# Altium PCB VOU_SOM_CV_V0.0.1.PcbDoc (part 1 of 3) (continued)
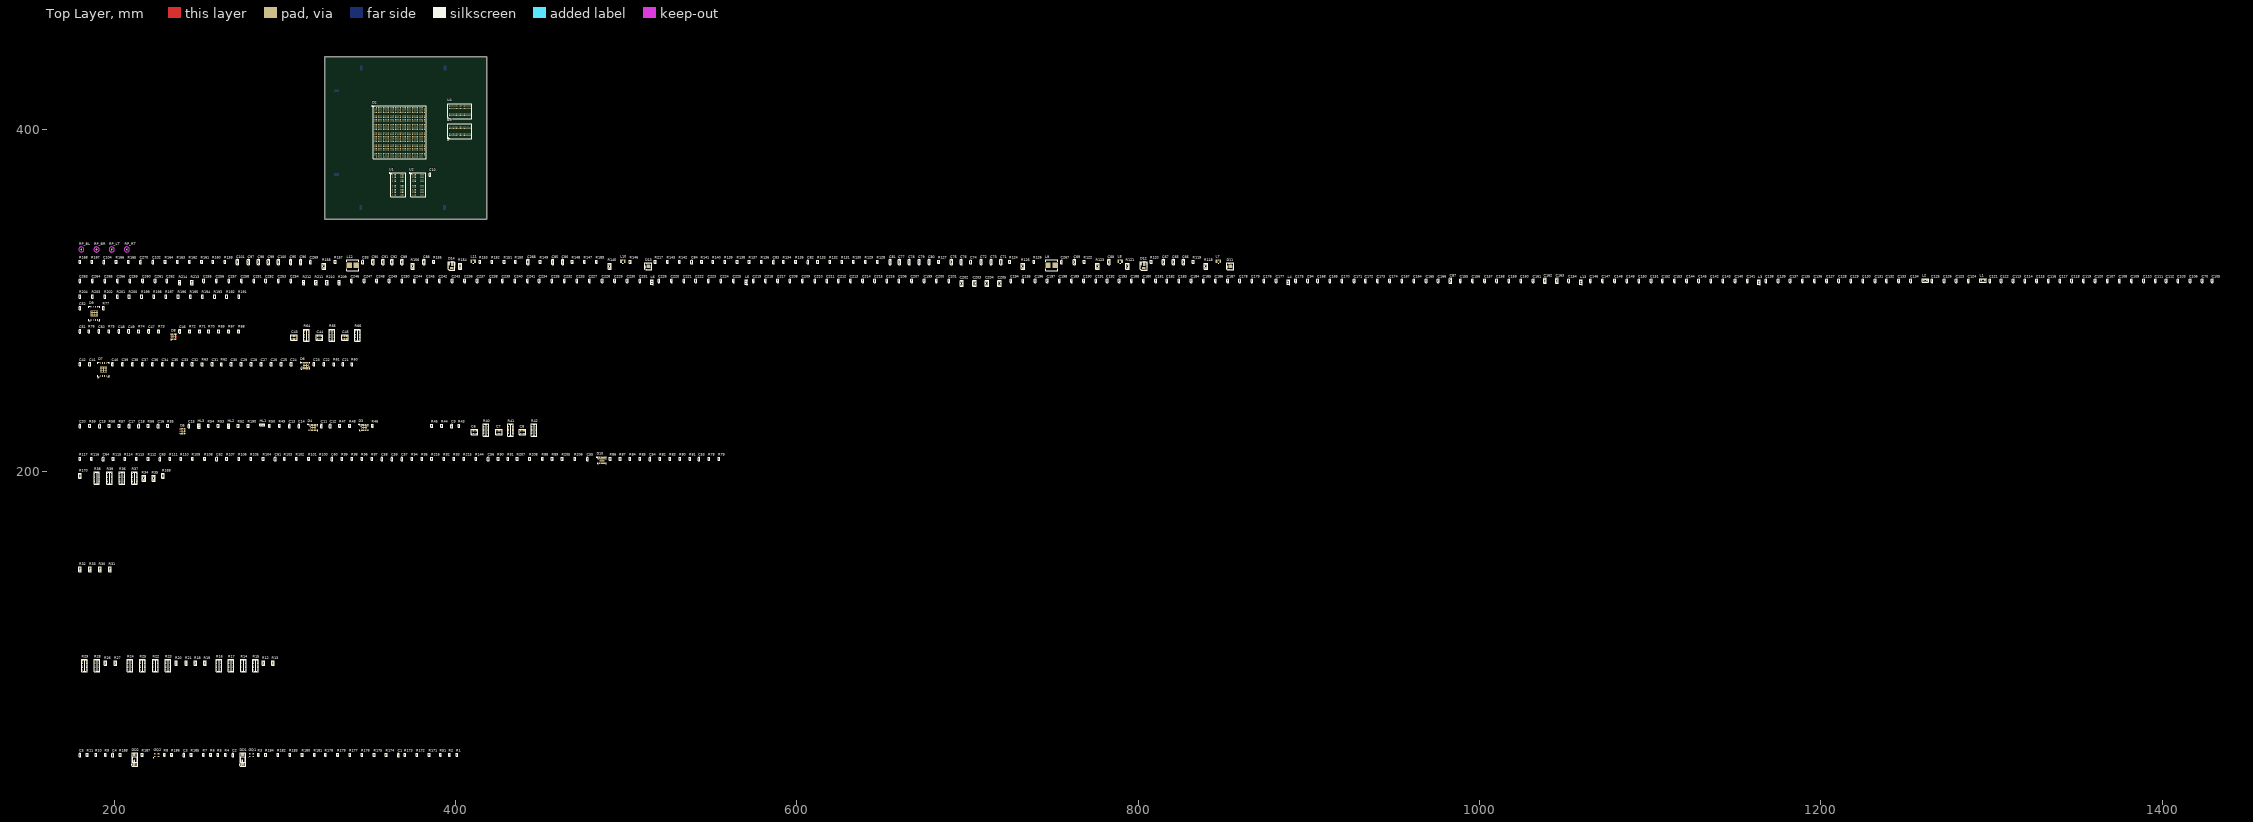
[diagram p0: Top Layer view]
## Components (designator, comment, footprint, x,y, rotation, side; value= is the part's Value field where it differs from the comment) (continued)
C105 "CC0402-X7R-0,1 мкФ-20%-10В" CC0402(1005) 1429.385,311.531 r90 top
C106 "CC0402-X7R-0,01 мкФ-10%-50В" CC0402(1005) 1416.431,311.531 r90 top
C107 "CC0402-X7R-0,01 мкФ-10%-50В" CC0402(1005) 1367.917,311.531 r90 top
C108 "CC0402-X7R-0,01 мкФ-10%-50В" CC0402(1005) 1375.029,311.531 r90 top
C109 "CC0402-X7R-0,01 мкФ-10%-50В" CC0402(1005) 1382.141,311.531 r90 top
C110 "CC0402-X7R-0,1 мкФ-20%-10В" CC0402(1005) 1389.253,311.531 r90 top
C111 "CC0402-X7R-0,1 мкФ-20%-10В" CC0402(1005) 1396.111,311.531 r90 top
C112 "CC0402-X7R-0,01 мкФ-10%-50В" CC0402(1005) 1402.461,311.531 r90 top
C113 "CC0402-X7R-0,01 мкФ-10%-50В" CC0402(1005) 1312.799,311.531 r90 top
C114 "CC0402-X7R-0,01 мкФ-10%-50В" CC0402(1005) 1319.657,311.531 r90 top
C115 "CC0402-X7R-0,01 мкФ-10%-50В" CC0402(1005) 1326.515,311.531 r90 top
C116 "CC0402-X7R-0,01 мкФ-10%-50В" CC0402(1005) 1333.373,311.531 r90 top
C117 "CC0402-X7R-0,01 мкФ-10%-50В" CC0402(1005) 1340.231,311.531 r90 top
C118 "CC0402-X7R-0,01 мкФ-10%-50В" CC0402(1005) 1347.089,311.531 r90 top
C119 "CC0402-X7R-0,01 мкФ-10%-50В" CC0402(1005) 1353.947,311.531 r90 top
C120 "CC0402-X7R-0,01 мкФ-10%-50В" CC0402(1005) 1360.805,311.531 r90 top
C121 "CC0402-X7R-0,01 мкФ-10%-50В" CC0402(1005) 1299.083,311.531 r90 top
C122 "CC0402-X7R-0,01 мкФ-10%-50В" CC0402(1005) 1305.687,311.531 r90 top
C123 "CC0402-X7R-0,1 мкФ-20%-10В" CC0402(1005) 1279.398,311.531 r90 top
C124 "CC0402-X7R-0,1 мкФ-20%-10В" CC0402(1005) 1286.51,311.531 r90 top
C125 "CC0402-X7R-0,01 мкФ-10%-50В" CC0402(1005) 1265.174,311.531 r90 top
C126 "CC0402-X7R-0,01 мкФ-10%-50В" CC0402(1005) 1272.286,311.531 r90 top
C127 "CC0402-X7R-0,01 мкФ-10%-50В" CC0402(1005) 1203.452,311.531 r90 top
C128 "CC0402-X7R-0,01 мкФ-10%-50В" CC0402(1005) 1210.564,311.531 r90 top
C129 "CC0402-X7R-0,01 мкФ-10%-50В" CC0402(1005) 1217.676,311.531 r90 top
C130 "CC0402-X7R-0,01 мкФ-10%-50В" CC0402(1005) 1224.788,311.531 r90 top
C131 "CC0402-X7R-0,01 мкФ-10%-50В" CC0402(1005) 1231.9,311.531 r90 top
C132 "CC0402-X7R-0,01 мкФ-10%-50В" CC0402(1005) 1238.504,311.531 r90 top
C133 "CC0402-X7R-0,01 мкФ-10%-50В" CC0402(1005) 1245.616,311.531 r90 top
C134 "CC0402-X7R-0,01 мкФ-10%-50В" CC0402(1005) 1252.728,311.531 r90 top
C135 "CC0402-X7R-0,01 мкФ-10%-50В" CC0402(1005) 1189.228,311.531 r90 top
C136 "CC0402-X7R-0,01 мкФ-10%-50В" CC0402(1005) 1196.34,311.531 r90 top
C137 "CC0402-X7R-0,01 мкФ-10%-50В" CC0402(1005) 1182.116,311.531 r90 top
C138 "CC0402-X7R-0,1 мкФ-20%-10В" CC0402(1005) 1167.892,311.531 r90 top
C139 "CC0402-X7R-0,1 мкФ-20%-10В" CC0402(1005) 1175.004,311.531 r90 top
C140 "CC0402-X7R-0,01 мкФ-10%-50В" CC0402(1005) 1149.858,311.531 r90 top
C141 "CC0402-X7R-0,01 мкФ-10%-50В" CC0402(1005) 1156.97,311.531 r90 top
C142 "CC0402-X7R-0,01 мкФ-10%-50В" CC0402(1005) 1135.634,311.531 r90 top
C143 "CC0402-X7R-0,01 мкФ-10%-50В" CC0402(1005) 1142.746,311.531 r90 top
C144 "CC0402-X7R-0,01 мкФ-10%-50В" CC0402(1005) 1121.41,311.531 r90 top
C145 "CC0402-X7R-0,01 мкФ-10%-50В" CC0402(1005) 1128.522,311.531 r90 top
C146 "CC0402-X7R-0,01 мкФ-10%-50В" CC0402(1005) 1065.022,311.531 r90 top
C147 "CC0402-X7R-0,01 мкФ-10%-50В" CC0402(1005) 1072.134,311.531 r90 top
C148 "CC0402-X7R-0,01 мкФ-10%-50В" CC0402(1005) 1079.246,311.531 r90 top
C149 "CC0402-X7R-0,01 мкФ-10%-50В" CC0402(1005) 1086.358,311.531 r90 top
C150 "CC0402-X7R-0,01 мкФ-10%-50В" CC0402(1005) 1093.47,311.531 r90 top
C151 "CC0402-X7R-0,01 мкФ-10%-50В" CC0402(1005) 1100.582,311.531 r90 top
C152 "CC0402-X7R-0,01 мкФ-10%-50В" CC0402(1005) 1107.186,311.531 r90 top
C153 "CC0402-X7R-0,01 мкФ-10%-50В" CC0402(1005) 1114.298,311.531 r90 top
C154 "CC0402-X7R-0,01 мкФ-10%-50В" CC0402(1005) 1052.322,311.531 r90 top
C155 "CC0402-X7R-0,01 мкФ-10%-50В" CC0402(1005) 988.822,311.531 r90 top
C156 "CC0402-X7R-0,01 мкФ-10%-50В" CC0402(1005) 995.934,311.531 r90 top
C157 "CC0402-X7R-0,01 мкФ-10%-50В" CC0402(1005) 1003.046,311.531 r90 top
C158 "CC0402-X7R-0,01 мкФ-10%-50В" CC0402(1005) 1010.158,311.531 r90 top
C159 "CC0402-X7R-0,01 мкФ-10%-50В" CC0402(1005) 1017.27,311.531 r90 top
C160 "CC0402-X7R-0,1 мкФ-20%-10В" CC0402(1005) 1024.382,311.531 r90 top
C161 "CC0402-X7R-0,1 мкФ-20%-10В" CC0402(1005) 1031.494,311.531 r90 top
C162 "CC0603-X5R-22 мкФ-20%-6,3В" CC0603 1038.352,311.531 r90 top
C163 "CC0603-X5R-22 мкФ-20%-6,3В" CC0603 1045.337,311.531 r90 top
C164 "CC0402-X7R-0,01 мкФ-10%-50В" CC0402(1005) 961.644,311.531 r90 top
C165 "CC0402-X7R-0,01 мкФ-10%-50В" CC0402(1005) 968.756,311.531 r90 top
C166 "CC0402-X7R-0,1 мкФ-20%-10В" CC0402(1005) 975.868,311.531 r90 top
C167 "CC0402-X7R-0,01 мкФ-10%-50В" CC0402(1005) 954.532,311.531 r90 top
C168 "CC0402-X7R-4700 пФ-10%-50В" CC0402(1005) 905.256,311.531 r90 top
C169 "CC0402-X7R-4700 пФ-10%-50В" CC0402(1005) 912.368,311.531 r90 top
C170 "CC0402-X7R-4700 пФ-10%-50В" CC0402(1005) 919.48,311.531 r90 top
C171 "CC0402-X7R-4700 пФ-10%-50В" CC0402(1005) 926.592,311.531 r90 top
C172 "CC0402-X7R-4700 пФ-10%-50В" CC0402(1005) 933.196,311.531 r90 top
C173 "CC0402-X7R-4700 пФ-10%-50В" CC0402(1005) 940.308,311.531 r90 top
C174 "CC0402-X7R-4700 пФ-10%-50В" CC0402(1005) 947.42,311.531 r90 top
C175 "CC0402-X7R-0,01 мкФ-10%-50В" CC0402(1005) 892.302,311.531 r90 top
C176 "CC0402-X7R-0,1 мкФ-20%-10В" CC0402(1005) 873.76,311.531 r90 top
C177 "CC0402-X7R-0,1 мкФ-20%-10В" CC0402(1005) 880.872,311.531 r90 top
C178 "CC0402-X7R-0,01 мкФ-10%-50В" CC0402(1005) 859.536,311.531 r90 top
C179 "CC0402-X7R-0,01 мкФ-10%-50В" CC0402(1005) 866.648,311.531 r90 top
C180 "CC0402-X7R-4700 пФ-10%-50В" CC0402(1005) 803.148,311.531 r90 top
C181 "CC0402-X7R-4700 пФ-10%-50В" CC0402(1005) 810.26,311.531 r90 top
C182 "CC0402-X7R-4700 пФ-10%-50В" CC0402(1005) 816.864,311.531 r90 top
C183 "CC0402-X7R-4700 пФ-10%-50В" CC0402(1005) 823.976,311.531 r90 top
C184 "CC0402-X7R-4700 пФ-10%-50В" CC0402(1005) 831.088,311.531 r90 top
C185 "CC0402-X7R-4700 пФ-10%-50В" CC0402(1005) 838.2,311.531 r90 top
C186 "CC0402-X7R-4700 пФ-10%-50В" CC0402(1005) 845.312,311.531 r90 top
C187 "CC0402-X7R-4700 пФ-10%-50В" CC0402(1005) 852.424,311.531 r90 top
C188 "CC0402-X7R-0,01 мкФ-10%-50В" CC0402(1005) 796.036,311.531 r90 top
C189 "CC0402-X7R-0.047 мкФ-10%-50В" CC0402(1005) 760.984,311.531 r90 top
C190 "CC0402-X7R-0.047 мкФ-10%-50В" CC0402(1005) 768.096,311.531 r90 top
C191 "CC0402-X7R-0.047 мкФ-10%-50В" CC0402(1005) 775.208,311.531 r90 top
C192 "CC0402-X7R-0.047 мкФ-10%-50В" CC0402(1005) 781.812,311.531 r90 top
C193 "CC0402-X7R-0.047 мкФ-10%-50В" CC0402(1005) 788.924,311.531 r90 top
C194 "CC0402-X7R-0,01 мкФ-10%-50В" CC0402(1005) 725.424,311.531 r90 top
C195 "CC0402-X7R-0,01 мкФ-10%-50В" CC0402(1005) 732.536,311.531 r90 top
C196 "CC0402-X7R-0,01 мкФ-10%-50В" CC0402(1005) 739.648,311.531 r90 top
C197 "CC0402-X7R-0,1 мкФ-20%-10В" CC0402(1005) 746.76,311.531 r90 top
C198 "CC0402-X7R-0,1 мкФ-20%-10В" CC0402(1005) 753.872,311.531 r90 top
C199 "CC0402-X5R-10 мкФ-20%-6.3В" CC0402(1005) 674.624,311.531 r90 top
C200 "CC0402-X5R-10 мкФ-20%-6.3В" CC0402(1005) 681.736,311.531 r90 top
C201 "CC0402-X5R-10 мкФ-20%-6.3В" CC0402(1005) 689.102,311.531 r90 top
C202 "CC0805-X5R-100 мкФ-20%-4В" CC0805 696.595,310.007 r90 top
C203 "CC0805-X5R-100 мкФ-20%-4В" CC0805 703.961,310.007 r90 top
C204 "CC0805-X5R-100 мкФ-20%-4В" CC0805 711.327,310.007 r90 top
C205 "CC0805-X5R-100 мкФ-20%-4В" CC0805 718.693,310.007 r90 top
C206 "CC0402-X7R-0,01 мкФ-10%-50В" CC0402(1005) 659.892,311.531 r90 top
C207 "CC0402-X7R-0,01 мкФ-10%-50В" CC0402(1005) 667.258,311.531 r90 top
C208 "CC0402-X7R-0,01 мкФ-10%-50В" CC0402(1005) 595.884,311.531 r90 top
C209 "CC0402-X7R-0,01 мкФ-10%-50В" CC0402(1005) 603.25,311.531 r90 top
C210 "CC0402-X7R-0,1 мкФ-20%-10В" CC0402(1005) 610.616,311.531 r90 top
C211 "CC0402-X7R-0,1 мкФ-20%-10В" CC0402(1005) 617.728,311.531 r90 top
C212 "CC0402-X7R-0,1 мкФ-20%-10В" CC0402(1005) 624.332,311.531 r90 top
C213 "CC0402-X7R-0,22 мкФ-10%-6.3В" CC0402(1005) 631.444,311.531 r90 top
C214 "CC0402-X7R-0,22 мкФ-10%-6.3В" CC0402(1005) 638.556,311.531 r90 top
C215 "CC0402-X7R-0,47 мкФ-10%-6.3В" CC0402(1005) 645.668,311.531 r90 top
C216 "CC0402-X5R-1 мкФ-10%-6.3В" CC0402(1005) 652.78,311.531 r90 top
C217 "CC0402-X7R-0,01 мкФ-10%-50В" CC0402(1005) 588.772,311.531 r90 top
C218 "CC0402-X7R-0,01 мкФ-10%-50В" CC0402(1005) 581.66,311.531 r90 top
C219 "CC0402-X7R-0,01 мкФ-10%-50В" CC0402(1005) 574.548,311.531 r90 top
C220 "CC0402-X7R-0,01 мкФ-10%-50В" CC0402(1005) 526.542,311.531 r90 top
C221 "CC0402-X7R-0,01 мкФ-10%-50В" CC0402(1005) 533.908,311.531 r90 top
C222 "CC0402-X7R-0,01 мкФ-10%-50В" CC0402(1005) 540.766,311.531 r90 top
C223 "CC0402-X7R-0,1 мкФ-20%-10В" CC0402(1005) 548.132,311.531 r90 top
C224 "CC0402-X7R-0,1 мкФ-20%-10В" CC0402(1005) 555.498,311.531 r90 top
C225 "CC0402-X7R-0,1 мкФ-20%-10В" CC0402(1005) 562.864,311.531 r90 top
C226 "CC0402-X7R-0,01 мкФ-10%-50В" CC0402(1005) 519.176,311.531 r90 top
C227 "CC0402-X7R-4700 пФ-10%-50В" CC0402(1005) 478.536,311.531 r90 top
C228 "CC0402-X7R-4700 пФ-10%-50В" CC0402(1005) 485.902,311.531 r90 top
C229 "CC0402-X7R-0,22 мкФ-10%-6.3В" CC0402(1005) 493.268,311.531 r90 top
C230 "CC0402-X7R-0,22 мкФ-10%-6.3В" CC0402(1005) 500.634,311.531 r90 top
C231 "CC0402-X7R-0,47 мкФ-10%-6.3В" CC0402(1005) 508,311.531 r90 top
C232 "CC0402-X7R-0,1 мкФ-20%-10В" CC0402(1005) 463.804,311.531 r90 top
C233 "CC0402-X7R-0,1 мкФ-20%-10В" CC0402(1005) 471.17,311.531 r90 top
C234 "CC0402-X7R-0,01 мкФ-10%-50В" CC0402(1005) 449.072,311.531 r90 top
C235 "CC0402-X7R-0,01 мкФ-10%-50В" CC0402(1005) 456.438,311.531 r90 top
C236 "CC0402-X7R-0,01 мкФ-10%-50В" CC0402(1005) 405.384,311.531 r90 top
C237 "CC0402-X7R-0,01 мкФ-10%-50В" CC0402(1005) 412.75,311.531 r90 top
C238 "CC0402-X7R-0,01 мкФ-10%-50В" CC0402(1005) 420.116,311.531 r90 top
C239 "CC0402-X7R-0,1 мкФ-20%-10В" CC0402(1005) 427.482,311.531 r90 top
C240 "CC0402-X7R-0,1 мкФ-20%-10В" CC0402(1005) 434.848,311.531 r90 top
C241 "CC0402-X7R-0,1 мкФ-20%-10В" CC0402(1005) 442.214,311.531 r90 top
C242 "CC0402-X7R-0,1 мкФ-20%-10В" CC0402(1005) 390.652,311.531 r90 top
C243 "CC0402-X7R-0,1 мкФ-20%-10В" CC0402(1005) 398.018,311.531 r90 top
C244 "CC0402-X7R-0,01 мкФ-10%-50В" CC0402(1005) 375.92,311.531 r90 top
C245 "CC0402-X7R-0,01 мкФ-10%-50В" CC0402(1005) 383.286,311.531 r90 top
C246 "CC0402-X7R-4700 пФ-10%-50В" CC0402(1005) 339.09,311.531 r90 top
C247 "CC0402-X7R-4700 пФ-10%-50В" CC0402(1005) 346.456,311.531 r90 top
C248 "CC0402-X7R-0,22 мкФ-10%-6.3В" CC0402(1005) 353.822,311.531 r90 top
C249 "CC0402-X7R-0,22 мкФ-10%-6.3В" CC0402(1005) 361.188,311.531 r90 top
C250 "CC0402-X7R-0,47 мкФ-10%-6.3В" CC0402(1005) 368.554,311.531 r90 top
C251 "CC0402-X7R-0,1 мкФ-20%-10В" CC0402(1005) 281.94,311.531 r90 top
C252 "CC0402-X7R-0,1 мкФ-20%-10В" CC0402(1005) 288.798,311.531 r90 top
C253 "CC0402-X7R-0,1 мкФ-20%-10В" CC0402(1005) 296.164,311.531 r90 top
C254 "CC0402-X7R-0,22 мкФ-10%-6.3В" CC0402(1005) 303.53,311.531 r90 top
C255 "CC0402-X7R-0,01 мкФ-10%-50В" CC0402(1005) 252.476,311.531 r90 top
C256 "CC0402-X7R-0,01 мкФ-10%-50В" CC0402(1005) 259.842,311.531 r90 top
C257 "CC0402-X7R-0,01 мкФ-10%-50В" CC0402(1005) 267.208,311.531 r90 top
C258 "CC0402-X7R-0,01 мкФ-10%-50В" CC0402(1005) 274.574,311.531 r90 top
C259 "CC0402-X7R-0,1 мкФ-20%-10В" CC0402(1005) 209.296,311.531 r90 top
C260 "CC0402-X7R-0,1 мкФ-20%-10В" CC0402(1005) 216.662,311.531 r90 top
C261 "CC0402-X7R-0,1 мкФ-20%-10В" CC0402(1005) 224.028,311.531 r90 top
C262 "CC0402-X7R-0,22 мкФ-10%-6.3В" CC0402(1005) 230.886,311.531 r90 top
C263 "CC0402-X7R-0,01 мкФ-10%-50В" CC0402(1005) 179.832,311.531 r90 top
C264 "CC0402-X7R-0,01 мкФ-10%-50В" CC0402(1005) 187.198,311.531 r90 top
C265 "CC0402-X7R-0,01 мкФ-10%-50В" CC0402(1005) 194.564,311.531 r90 top
C266 "CC0402-X7R-0,01 мкФ-10%-50В" CC0402(1005) 201.93,311.531 r90 top
C267 "CC0402-X7R-0,1 мкФ-20%-10В" CC0402(1005) 755.142,322.58 r90 top
C268 "CC0603-X5R-22 мкФ-20%-6,3В" CC0603 442.468,322.58 r90 top
C269 "CC0402-X7R-2200 пФ-10%-16В" CC0402(1005) 314.96,322.58 r90 top
C270 "CC0402-X7R-0,01 мкФ-10%-50В" CC0402(1005) 215.392,322.58 r90 top
D2 "5CSXFC6D6F31I7N" ALTR-FBGA896_A-200 367.225,398.7 r0 top
D3 "TXS0108ERGYR" QFN50P450X350X100_HS-21N 346.456,225.679 r0 top
D4 "TXS0108ERGYR" QFN50P450X350X100_HS-21N 316.611,225.679 r0 top
D5 "TPS51200DRCR" TI-DRC10-2400X1650TP_V 240.157,223.393 r90 top
D6 "TXS0108ERGYR" QFN50P450X350X100_HS-21N 312.166,261.874 r0 top
D7 "MT25QL512ABB1EW9-0SIT" SON127P800X80_HS-9N 193.675,259.588 r90 top
D8 "TPS51200DRCR" TI-DRC10-2400X1650TP_V 234.823,278.892 r90 top
D9 "MT25QL512ABB1EW9-0SIT" SON127P800X80_HS-9N 188.341,292.481 r90 top
D10 "TXS0108ERGYR" QFN50P450X350X100_HS-21N 485.775,206.375 r0 top
D11 "RT8012AGQW" RT8012AGQW 852.932,318.389 r90 top
D12 "IR3859MTRPBF" IR3859 801.751,317.881 r90 top
D13 "RT8012AGQW" RT8012AGQW 511.937,318.389 r90 top
D14 "IR3859MTRPBF" IR3859 396.24,317.881 r90 top
DD1 "CDCLVC1104PWR" TSSOP-8 275.463,31.115 r90 top
DD2 "CDCLVC1104PWR" TSSOP-8 212.217,31.115 r90 top
GQ1 "ASEMB-50.000MHZ-XY-T" DFN210P320X100-4N 280.416,33.655 r0 top
GQ2 "ASEMB-25.000MHZ-XY-T" DFN210P320X100-4N 224.79,33.655 r0 top
HL1 "KPT-1608SURC" LED0603_Red 286.639,227.203 r0 top
HL2 "KPT-1608SYC" LED0603_Yellow 267.081,226.441 r90 top
HL3 "KPT-1608ZGC" LED0603_GREEN 249.555,226.441 r90 top
L1 "MH1608-600Y" CL0805 1295.019,311.785 r0 top
L2 "MH1608-600Y" CL0805 1261.237,311.785 r0 top
L3 "BLM18PG-60 Ом" CL0603 1163.828,310.642 r90 top
L4 "BLM18PG-60 Ом" CL0603 888.111,310.642 r90 top
L5 "BLM18PG-60 Ом" CL0603 570.357,310.642 r90 top
L6 "BLM18PG-60 Ом" CL0603 514.985,310.642 r90 top
L7 "IHHP1008ABER2R2M01" INDC2720X12L 846.963,322.961 r0 top
L8 "IHHP1008AZER1R5M01" INDC2720X12L 789.432,322.961 r0 top
L9 "IHLP2525CZERR68M01" INDP6965X30L 749.3,320.802 r0 top
L10 "IHHP1008ABER2R2M01" INDC2720X12L 497.967,322.961 r0 top
L11 "IHHP1008AZER1R5M01" INDC2720X12L 410.337,322.961 r0 top
L12 "IHLP2525CZERR33M01" INDP6965X30L 339.725,320.802 r0 top
L13 "BLM18PG-60 Ом" CL0603 1059.561,310.642 r90 top
R1 "CR0402-2 кОм-±5%" CR0402(1005) 400.812,33.782 r90 top
R2 "CR0402-2 кОм-±5%" CR0402(1005) 396.494,33.782 r90 top
R3 "CR0402-4.7 кОм-±5%" CR0402(1005) 284.48,33.782 r90 top
R4 "CR0402-22 Ом-±5%" CR0402(1005) 265.176,33.782 r90 top
R5 "CR0402-22 Ом-±5%" CR0402(1005) 260.858,33.782 r90 top
R6 "CR0402-22 Ом-±5%" CR0402(1005) 256.54,33.782 r90 top
R7 "CR0402-22 Ом-±5%" CR0402(1005) 252.222,33.782 r90 top
R8 "CR0402-4.7 кОм-±5%" CR0402(1005) 229.362,33.782 r90 top
R9 "CR0402-22 Ом-±5%" CR0402(1005) 194.818,33.782 r90 top
R10 "CR0402-22 Ом-±5%" CR0402(1005) 189.23,33.782 r90 top
R11 "CR0402-22 Ом-±5%" CR0402(1005) 184.15,33.782 r90 top
R12 "CR0603-0 Ом-±5%" CR0603 287.401,87.63 r90 top
R13 "CR0603-0 Ом-±5%" CR0603 292.989,87.63 r90 top
R14 "YC248-JR-07-22 Ом" CAT16-J8 275.59,86.233 r90 top
R15 "YC248-JR-07-22 Ом" CAT16-J8 282.829,86.233 r90 top
R16 "YC248-JR-07-22 Ом" CAT16-J8 261.239,86.233 r90 top
R17 "YC248-JR-07-22 Ом" CAT16-J8 268.478,86.233 r90 top
R18 "CR0603-0 Ом-±5%" CR0603 247.523,87.63 r90 top
R19 "CR0603-0 Ом-±5%" CR0603 253.111,87.63 r90 top
R20 "CR0603-0 Ом-±5%" CR0603 236.347,87.63 r90 top
R21 "CR0603-0 Ом-±5%" CR0603 242.189,87.63 r90 top
R22 "YC248-JR-07-22 Ом" CAT16-J8 224.028,86.233 r90 top
R23 "YC248-JR-07-22 Ом" CAT16-J8 231.521,86.233 r90 top
R24 "YC248-JR-07-22 Ом" CAT16-J8 209.169,86.233 r90 top
R25 "YC248-JR-07-22 Ом" CAT16-J8 216.535,86.233 r90 top
R26 "CR0603-0 Ом-±5%" CR0603 194.818,87.63 r90 top
R27 "CR0603-0 Ом-±5%" CR0603 200.66,87.63 r90 top
R28 "YC248-JR-07-22 Ом" CAT16-J8 189.992,86.233 r90 top
R29 "YC248-JR-07-22 Ом" CAT16-J8 182.626,86.233 r90 top
R30 "CR0603-0 Ом-±5%" CR0603 191.643,142.494 r90 top
R31 "CR0603-0 Ом-±5%" CR0603 197.485,142.494 r90 top
R32 "CR0603-0 Ом-±5%" CR0603 179.959,142.494 r90 top
R33 "CR0603-0 Ом-±5%" CR0603 185.801,142.494 r90 top
R34 "CR0805-0 Ом-±5%" CR0805 217.297,195.834 r90 top
R35 "CR0805-0 Ом-±5%" CR0805 223.139,195.834 r90 top
R36 "YC248-JR-07-22 Ом" CAT16-J8 204.597,195.961 r90 top
R37 "YC248-JR-07-22 Ом" CAT16-J8 211.963,195.961 r90 top
R38 "YC248-JR-07-22 Ом" CAT16-J8 189.738,195.961 r90 top
R39 "YC248-JR-07-22 Ом" CAT16-J8 197.104,195.961 r90 top
R40 "YC248-JR-07-51 Ом" CAT16-J8 417.703,224.155 r90 top
R41 "YC248-JR-07-51 Ом" CAT16-J8 432.181,224.155 r90 top
R42 "YC248-JR-07-51 Ом" CAT16-J8 446.024,224.155 r90 top
R43 "CR0402-100 Ом-±5%" CR0402(1005) 402.082,226.568 r90 top
R44 "CR0402-100 Ом-±5%" CR0402(1005) 391.922,226.568 r90 top
R45 "CR0402-100 Ом-±5%" CR0402(1005) 386.08,226.568 r90 top
R46 "CR0402-100 Ом-±5%" CR0402(1005) 351.282,226.568 r90 top
R47 "CR0402-240 Ом-±5%" CR0402(1005) 332.105,226.568 r90 top
R48 "CR0402-240 Ом-±5%" CR0402(1005) 337.947,226.568 r90 top
R49 "CR0402-2 кОм-±5%" CR0402(1005) 296.799,226.568 r90 top
R50 "CR0402-240 Ом-±5%" CR0402(1005) 290.957,226.568 r90 top
R51 "CR0402-4.7 кОм-±5%" CR0402(1005) 391.16,33.782 r90 top
R52 "CR0402-240 Ом-±5%" CR0402(1005) 272.669,226.568 r90 top
R53 "CR0402-100 Ом-±5%" CR0402(1005) 260.985,226.568 r90 top
R54 "CR0402-240 Ом-±5%" CR0402(1005) 255.143,226.568 r90 top
R55 "CR0402-100 кОм-±5%" CR0402(1005) 231.394,226.568 r90 top
R56 "CR0402-10 кОм-±5%" CR0402(1005) 219.964,226.568 r90 top
R57 "CR0402-100 Ом-±5%" CR0402(1005) 202.946,226.568 r90 top
R58 "CR0402-10 кОм-±5%" CR0402(1005) 197.104,226.568 r90 top
R59 "CR0402-10 кОм-±5%" CR0402(1005) 185.674,226.568 r90 top
R60 "CR0402-100 Ом-±5%" CR0402(1005) 339.344,262.763 r90 top
R61 "CR0402-100 Ом-±5%" CR0402(1005) 328.676,262.763 r90 top
R62 "CR0402-0 Ом-±5%" CR0402(1005) 262.763,262.763 r90 top
R63 "CR0402-10 кОм-±5%" CR0402(1005) 251.587,262.763 r90 top
R64 "YC248-JR-07-51 Ом" CAT16-J8 312.547,279.654 r90 top
R65 "YC248-JR-07-51 Ом" CAT16-J8 327.533,279.654 r90 top
R66 "YC248-JR-07-51 Ом" CAT16-J8 342.519,279.654 r90 top
R67 "CR0402-240 Ом-±5%" CR0402(1005) 267.081,282.067 r90 top
R68 "CR0402-240 Ом-±5%" CR0402(1005) 272.923,282.067 r90 top
R69 "CR0402-100 Ом-±5%" CR0402(1005) 261.239,282.067 r90 top
R70 "CR0402-2 кОм-±5%" CR0402(1005) 255.397,282.067 r90 top
R71 "CR0402-4.7 кОм-±5%" CR0402(1005) 250.063,282.067 r90 top
R72 "CR0402-100 Ом-±5%" CR0402(1005) 244.221,282.067 r90 top
R73 "CR0402-100 кОм-±5%" CR0402(1005) 226.06,282.067 r90 top
R74 "CR0402-10 кОм-±5%" CR0402(1005) 214.376,282.067 r90 top
R75 "CR0402-10 кОм-±5%" CR0402(1005) 196.85,282.067 r90 top
R76 "CR0402-10 кОм-±5%" CR0402(1005) 185.166,282.067 r90 top
R77 "CR0402-4.7 кОм-±5%" CR0402(1005) 193.675,295.656 r90 top
R78 "CR0402-100 Ом-±5%" CR0402(1005) 548.513,207.264 r90 top
R79 "CR0402-200 Ом-±5%" CR0402(1005) 554.355,207.264 r90 top
R80 "CR0402-100 Ом-±5%" CR0402(1005) 531.495,207.264 r90 top
R81 "CR0402-200 Ом-±5%" CR0402(1005) 537.337,207.264 r90 top
R82 "CR0402-100 Ом-±5%" CR0402(1005) 519.811,207.264 r90 top
R83 "CR0402-200 Ом-±5%" CR0402(1005) 525.653,207.264 r90 top
R84 "CR0402-100 Ом-±5%" CR0402(1005) 502.285,207.264 r90 top
R85 "CR0402-200 Ом-±5%" CR0402(1005) 508.127,207.264 r90 top
R86 "CR0402-100 Ом-±5%" CR0402(1005) 490.601,207.264 r90 top
R87 "CR0402-200 Ом-±5%" CR0402(1005) 496.443,207.264 r90 top
R88 "CR0402-100 Ом-±5%" CR0402(1005) 450.85,207.264 r90 top
R89 "CR0402-200 Ом-±5%" CR0402(1005) 456.692,207.264 r90 top
R90 "CR0402-100 Ом-±5%" CR0402(1005) 424.942,207.264 r90 top
R91 "CR0402-200 Ом-±5%" CR0402(1005) 430.784,207.264 r90 top
R92 "CR0402-100 Ом-±5%" CR0402(1005) 393.192,207.264 r90 top
R93 "CR0402-200 Ом-±5%" CR0402(1005) 399.034,207.264 r90 top
R94 "CR0402-100 Ом-±5%" CR0402(1005) 374.396,207.264 r90 top
R95 "CR0402-200 Ом-±5%" CR0402(1005) 380.238,207.264 r90 top
R96 "CR0402-100 Ом-±5%" CR0402(1005) 345.186,207.264 r90 top
R97 "CR0402-200 Ом-±5%" CR0402(1005) 351.028,207.264 r90 top
R98 "CR0402-100 Ом-±5%" CR0402(1005) 339.344,207.264 r90 top
R99 "CR0402-200 Ом-±5%" CR0402(1005) 333.502,207.264 r90 top
R100 "CR0402-200 Ом-±5%" CR0402(1005) 320.548,207.264 r90 top
R101 "CR0402-100 Ом-±5%" CR0402(1005) 313.944,207.264 r90 top
R102 "CR0402-100 Ом-±5%" CR0402(1005) 306.832,207.264 r90 top
R103 "CR0402-200 Ом-±5%" CR0402(1005) 299.72,207.264 r90 top
R104 "CR0402-200 Ом-±5%" CR0402(1005) 287.274,207.264 r90 top
R105 "CR0402-100 Ом-±5%" CR0402(1005) 280.162,207.264 r90 top
R106 "CR0402-100 Ом-±5%" CR0402(1005) 273.05,207.264 r90 top
R107 "CR0402-200 Ом-±5%" CR0402(1005) 265.938,207.264 r90 top
R108 "CR0402-200 Ом-±5%" CR0402(1005) 252.984,207.264 r90 top
R109 "CR0402-100 Ом-±5%" CR0402(1005) 245.872,207.264 r90 top
R110 "CR0402-100 Ом-±5%" CR0402(1005) 239.014,207.264 r90 top
R111 "CR0402-200 Ом-±5%" CR0402(1005) 232.664,207.264 r90 top
R112 "CR0402-200 Ом-±5%" CR0402(1005) 219.964,207.264 r90 top
R113 "CR0402-100 Ом-±5%" CR0402(1005) 213.106,207.264 r90 top
R114 "CR0402-100 Ом-±5%" CR0402(1005) 206.248,207.264 r90 top
R115 "CR0402-200 Ом-±5%" CR0402(1005) 199.39,207.264 r90 top
R116 "CR0402-200 Ом-±5%" CR0402(1005) 186.69,207.264 r90 top
R117 "CR0402-100 Ом-±5%" CR0402(1005) 179.832,207.264 r90 top
R118 "CR0805-0 Ом-±5%" CR0805 839.724,320.167 r90 top
R119 "CR0402-45.3 кОм-±1%" CR0402(1005) 832.231,322.707 r90 top
R120 "CR0402-35.7 кОм-±1%" CR0402(1005) 807.593,322.707 r90 top
R121 "CR0805-0 Ом-±5%" CR0805 793.75,320.167 r90 top
R122 "CR0402-45.3 кОм-±1%" CR0402(1005) 768.35,322.707 r90 top
R123 "CR0805-0 Ом-±5%" CR0805 776.097,320.167 r90 top
R124 "CR0402-7.15 кОм-±1%" CR0402(1005) 724.789,322.707 r90 top
R125 "CR0805-0 Ом-±5%" CR0805 732.536,320.167 r90 top
R126 "CR0402-45.3 кОм-±1%" CR0402(1005) 739.013,322.707 r90 top
R127 "CR0402-21.0 кОм-±1%" CR0402(1005) 683.133,322.707 r90 top
R128 "CR0402-45.3 кОм-±1%" CR0402(1005) 647.319,322.707 r90 top
R129 "CR0402-3.16 кОм-±1%" CR0402(1005) 640.207,322.707 r90 top
R130 "CR0402-45.3 кОм-±1%" CR0402(1005) 633.095,322.707 r90 top
R131 "CR0402-10 кОм-±5%" CR0402(1005) 626.491,322.707 r90 top
R132 "CR0402-14.3кОм-±1%" CR0402(1005) 619.379,322.707 r90 top
R133 "CR0402-130 Ом-±1%" CR0402(1005) 612.267,322.707 r90 top
R134 "CR0402-0 Ом-±5%" CR0402(1005) 592.201,322.707 r90 top
R135 "CR0402-0 Ом-±5%" CR0402(1005) 599.313,322.707 r90 top
R136 "CR0402-0 Ом-±5%" CR0402(1005) 579.247,322.707 r90 top
R137 "CR0402-1.65 кОм-±1%" CR0402(1005) 572.135,322.707 r90 top
R138 "CR0402-0 Ом-±5%" CR0402(1005) 565.023,322.707 r90 top
R139 "CR0402-0 Ом-±5%" CR0402(1005) 557.911,322.707 r90 top
R140 "CR0402-12.1 кОм-±1%" CR0402(1005) 550.799,322.707 r90 top
R141 "CR0402-0 Ом-±5%" CR0402(1005) 544.195,322.707 r90 top
R142 "CR0402-10 кОм-±1%" CR0402(1005) 531.241,322.707 r90 top
R143 "CR0402-0 Ом-±5%" CR0402(1005) 524.129,322.707 r90 top
R144 "CR0402-10 кОм-±5%" CR0402(1005) 411.988,207.264 r90 top
R145 "CR0805-0 Ом-±5%" CR0805 490.347,320.167 r90 top
R146 "CR0402-0 Ом-±5%" CR0402(1005) 502.412,322.707 r90 top
R147 "CR0402-45.3 кОм-±1%" CR0402(1005) 475.488,322.707 r90 top
R148 "CR0402-10 кОм-±5%" CR0402(1005) 468.376,322.707 r90 top
R149 "CR0402-0 Ом-±5%" CR0402(1005) 449.58,322.707 r90 top
R150 "CR0402-0 Ом-±5%" CR0402(1005) 435.102,322.707 r90 top
R151 "CR0402-86.6 кОм-±1%" CR0402(1005) 428.498,322.707 r90 top
R152 "CR0402-0 Ом-±5%" CR0402(1005) 421.386,322.707 r90 top
R153 "CR0402-0 Ом-±5%" CR0402(1005) 414.274,322.707 r90 top
R154 "CR0805-0 Ом-±5%" CR0805 402.717,320.167 r90 top
R155 "CR0402-45.3 кОм-±1%" CR0402(1005) 387.223,322.707 r90 top
R156 "CR0805-0 Ом-±5%" CR0805 374.904,320.167 r90 top
R157 "CR0402-64.9 кОм-±1%" CR0402(1005) 329.438,322.707 r90 top
R158 "CR0805-0 Ом-±5%" CR0805 322.961,320.167 r90 top
R159 "CR0402-3.16 кОм-±1%" CR0402(1005) 264.922,322.707 r90 top
R160 "CR0402-45.3 кОм-±1%" CR0402(1005) 257.81,322.707 r90 top
R161 "CR0402-45.3 кОм-±1%" CR0402(1005) 251.206,322.707 r90 top
R162 "CR0402-14.3кОм-±1%" CR0402(1005) 244.094,322.707 r90 top
R163 "CR0402-0 Ом-±5%" CR0402(1005) 236.982,322.707 r90 top
R164 "CR0402-130 Ом-±1%" CR0402(1005) 229.87,322.707 r90 top
R165 "CR0402-1.65 кОм-±1%" CR0402(1005) 208.28,322.707 r90 top
R166 "CR0402-78.7 кОм-±1%" CR0402(1005) 201.168,322.707 r90 top
R167 "CR0402-52.3 кОм-±1%" CR0402(1005) 186.944,322.707 r90 top
R168 "CR0402-0 Ом-±5%" CR0402(1005) 179.832,322.707 r90 top
R169 "CR0603-0 Ом-±5%" CR0603 228.6,197.358 r90 top
R170 "CR0603-0 Ом-±5%" CR0603 179.959,197.358 r90 top
R171 "CR0402-4.7 кОм-±5%" CR0402(1005) 384.556,33.782 r90 top
R172 "CR0402-4.7 кОм-±5%" CR0402(1005) 377.444,33.782 r90 top
R173 "CR0402-4.7 кОм-±5%" CR0402(1005) 370.332,33.782 r90 top
R174 "CR0402-4.7 кОм-±5%" CR0402(1005) 359.41,33.782 r90 top
R175 "CR0402-4.7 кОм-±5%" CR0402(1005) 352.298,33.782 r90 top
R176 "CR0402-4.7 кОм-±5%" CR0402(1005) 345.186,33.782 r90 top
R177 "CR0402-4.7 кОм-±5%" CR0402(1005) 338.074,33.782 r90 top
R178 "CR0402-4.7 кОм-±5%" CR0402(1005) 323.85,33.782 r90 top
R179 "CR0402-4.7 кОм-±5%" CR0402(1005) 330.962,33.782 r90 top
R180 "CR0402-4.7 кОм-±5%" CR0402(1005) 310.134,33.782 r90 top
R181 "CR0402-4.7 кОм-±5%" CR0402(1005) 317.246,33.782 r90 top
R182 "CR0402-4.7 кОм-±5%" CR0402(1005) 295.91,33.782 r90 top
R183 "CR0402-4.7 кОм-±5%" CR0402(1005) 303.022,33.782 r90 top
R184 "CR0402-4.7 кОм-±5%" CR0402(1005) 288.798,33.782 r90 top
R185 "CR0402-4.7 кОм-±5%" CR0402(1005) 245.11,33.782 r90 top
R186 "CR0402-4.7 кОм-±5%" CR0402(1005) 233.68,33.782 r90 top
R187 "CR0402-4.7 кОм-±5%" CR0402(1005) 216.408,33.782 r90 top
R188 "CR0402-4.7 кОм-±5%" CR0402(1005) 203.454,33.782 r90 top
R189 "CR0402-0 Ом-±5%" CR0402(1005) 482.6,322.707 r90 top
R190 "CR0402-4.7 кОм-±5%" CR0402(1005) 278.511,226.568 r90 top
R191 "CR0402-4.7 кОм-±5%" CR0402(1005) 273.05,302.387 r90 top
R192 "CR0402-4.7 кОм-±5%" CR0402(1005) 265.938,302.387 r90 top
R193 "CR0402-4.7 кОм-±5%" CR0402(1005) 258.826,302.387 r90 top
R194 "CR0402-4.7 кОм-±5%" CR0402(1005) 251.714,302.387 r90 top
R195 "CR0402-4.7 кОм-±5%" CR0402(1005) 244.602,302.387 r90 top
R196 "CR0402-4.7 кОм-±5%" CR0402(1005) 237.49,302.387 r90 top
R197 "CR0402-4.7 кОм-±5%" CR0402(1005) 230.378,302.387 r90 top
R198 "CR0402-4.7 кОм-±5%" CR0402(1005) 223.266,302.387 r90 top
R199 "CR0402-4.7 кОм-±5%" CR0402(1005) 216.154,302.387 r90 top
R200 "CR0402-4.7 кОм-±5%" CR0402(1005) 208.788,302.387 r90 top
R201 "CR0402-4.7 кОм-±5%" CR0402(1005) 201.93,302.387 r90 top
R202 "CR0402-4.7 кОм-±5%" CR0402(1005) 194.564,302.387 r90 top
R203 "CR0402-4.7 кОм-±5%" CR0402(1005) 187.198,302.387 r90 top
R204 "CR0402-4.7 кОм-±5%" CR0402(1005) 179.832,302.387 r90 top
R205 "CR0402-22 Ом-±5%" CR0402(1005) 462.534,207.264 r90 top
R206 "CR0402-22 Ом-±5%" CR0402(1005) 469.9,207.264 r90 top
R207 "CR0402-22 Ом-±5%" CR0402(1005) 436.118,207.264 r90 top
R208 "CR0402-22 Ом-±5%" CR0402(1005) 443.484,207.264 r90 top
R209 "CR0603-0 Ом-±5%" CR0603 331.851,310.642 r90 top
R210 "CR0603-0 Ом-±5%" CR0603 324.739,310.642 r90 top
R211 "CR0603-0 Ом-±5%" CR0603 318.135,310.642 r90 top
R212 "CR0603-0 Ом-±5%" CR0603 311.023,310.642 r90 top
R213 "CR0603-0 Ом-±5%" CR0603 245.491,310.642 r90 top
R214 "CR0603-0 Ом-±5%" CR0603 238.379,310.642 r90 top
R215 "CR0402-10 кОм-±5%" CR0402(1005) 404.876,207.264 r90 top
R216 "CR0402-10 кОм-±5%" CR0402(1005) 386.08,207.264 r90 top
R217 "CR0402-10 кОм-±5%" CR0402(1005) 517.017,322.707 r90 top
RP_BL "Comment" Reper-Normal 180.721,329.946 r90 top
RP_BR "Comment" Reper-Normal 189.611,329.946 r90 top
RP_LT "Comment" Reper-Normal 198.501,329.946 r90 top
RP_RT "Comment" Reper-Normal 207.391,329.946 r90 top
U1 "MT41K256M16HA-125 AIT" MICT-HA-96 366.425,367.797 r0 top
U2 "MT41K256M16HA-125 AIT" MICT-HA-96 378.109,367.797 r0 top
U3 "MT41K256M16HA-125 AIT" MICT-HA-96 402.475,399.216 r90 top
U4 "MT41K256M16HA-125 AIT" MICT-HA-96 402.475,410.9 r90 top
X1 "FX10A-168S-SV" FX10A-168S-SV 368.925,354.525 r180 bottom
X2 "FX10A-168S-SV" FX10A-168S-SV 369.3,436.3 r180 bottom
X3 "FX10A-168S-SV" FX10A-168S-SV 330.225,398.375 r90 bottom